# KiCad board m-blanc.kicad_pcb (continued)
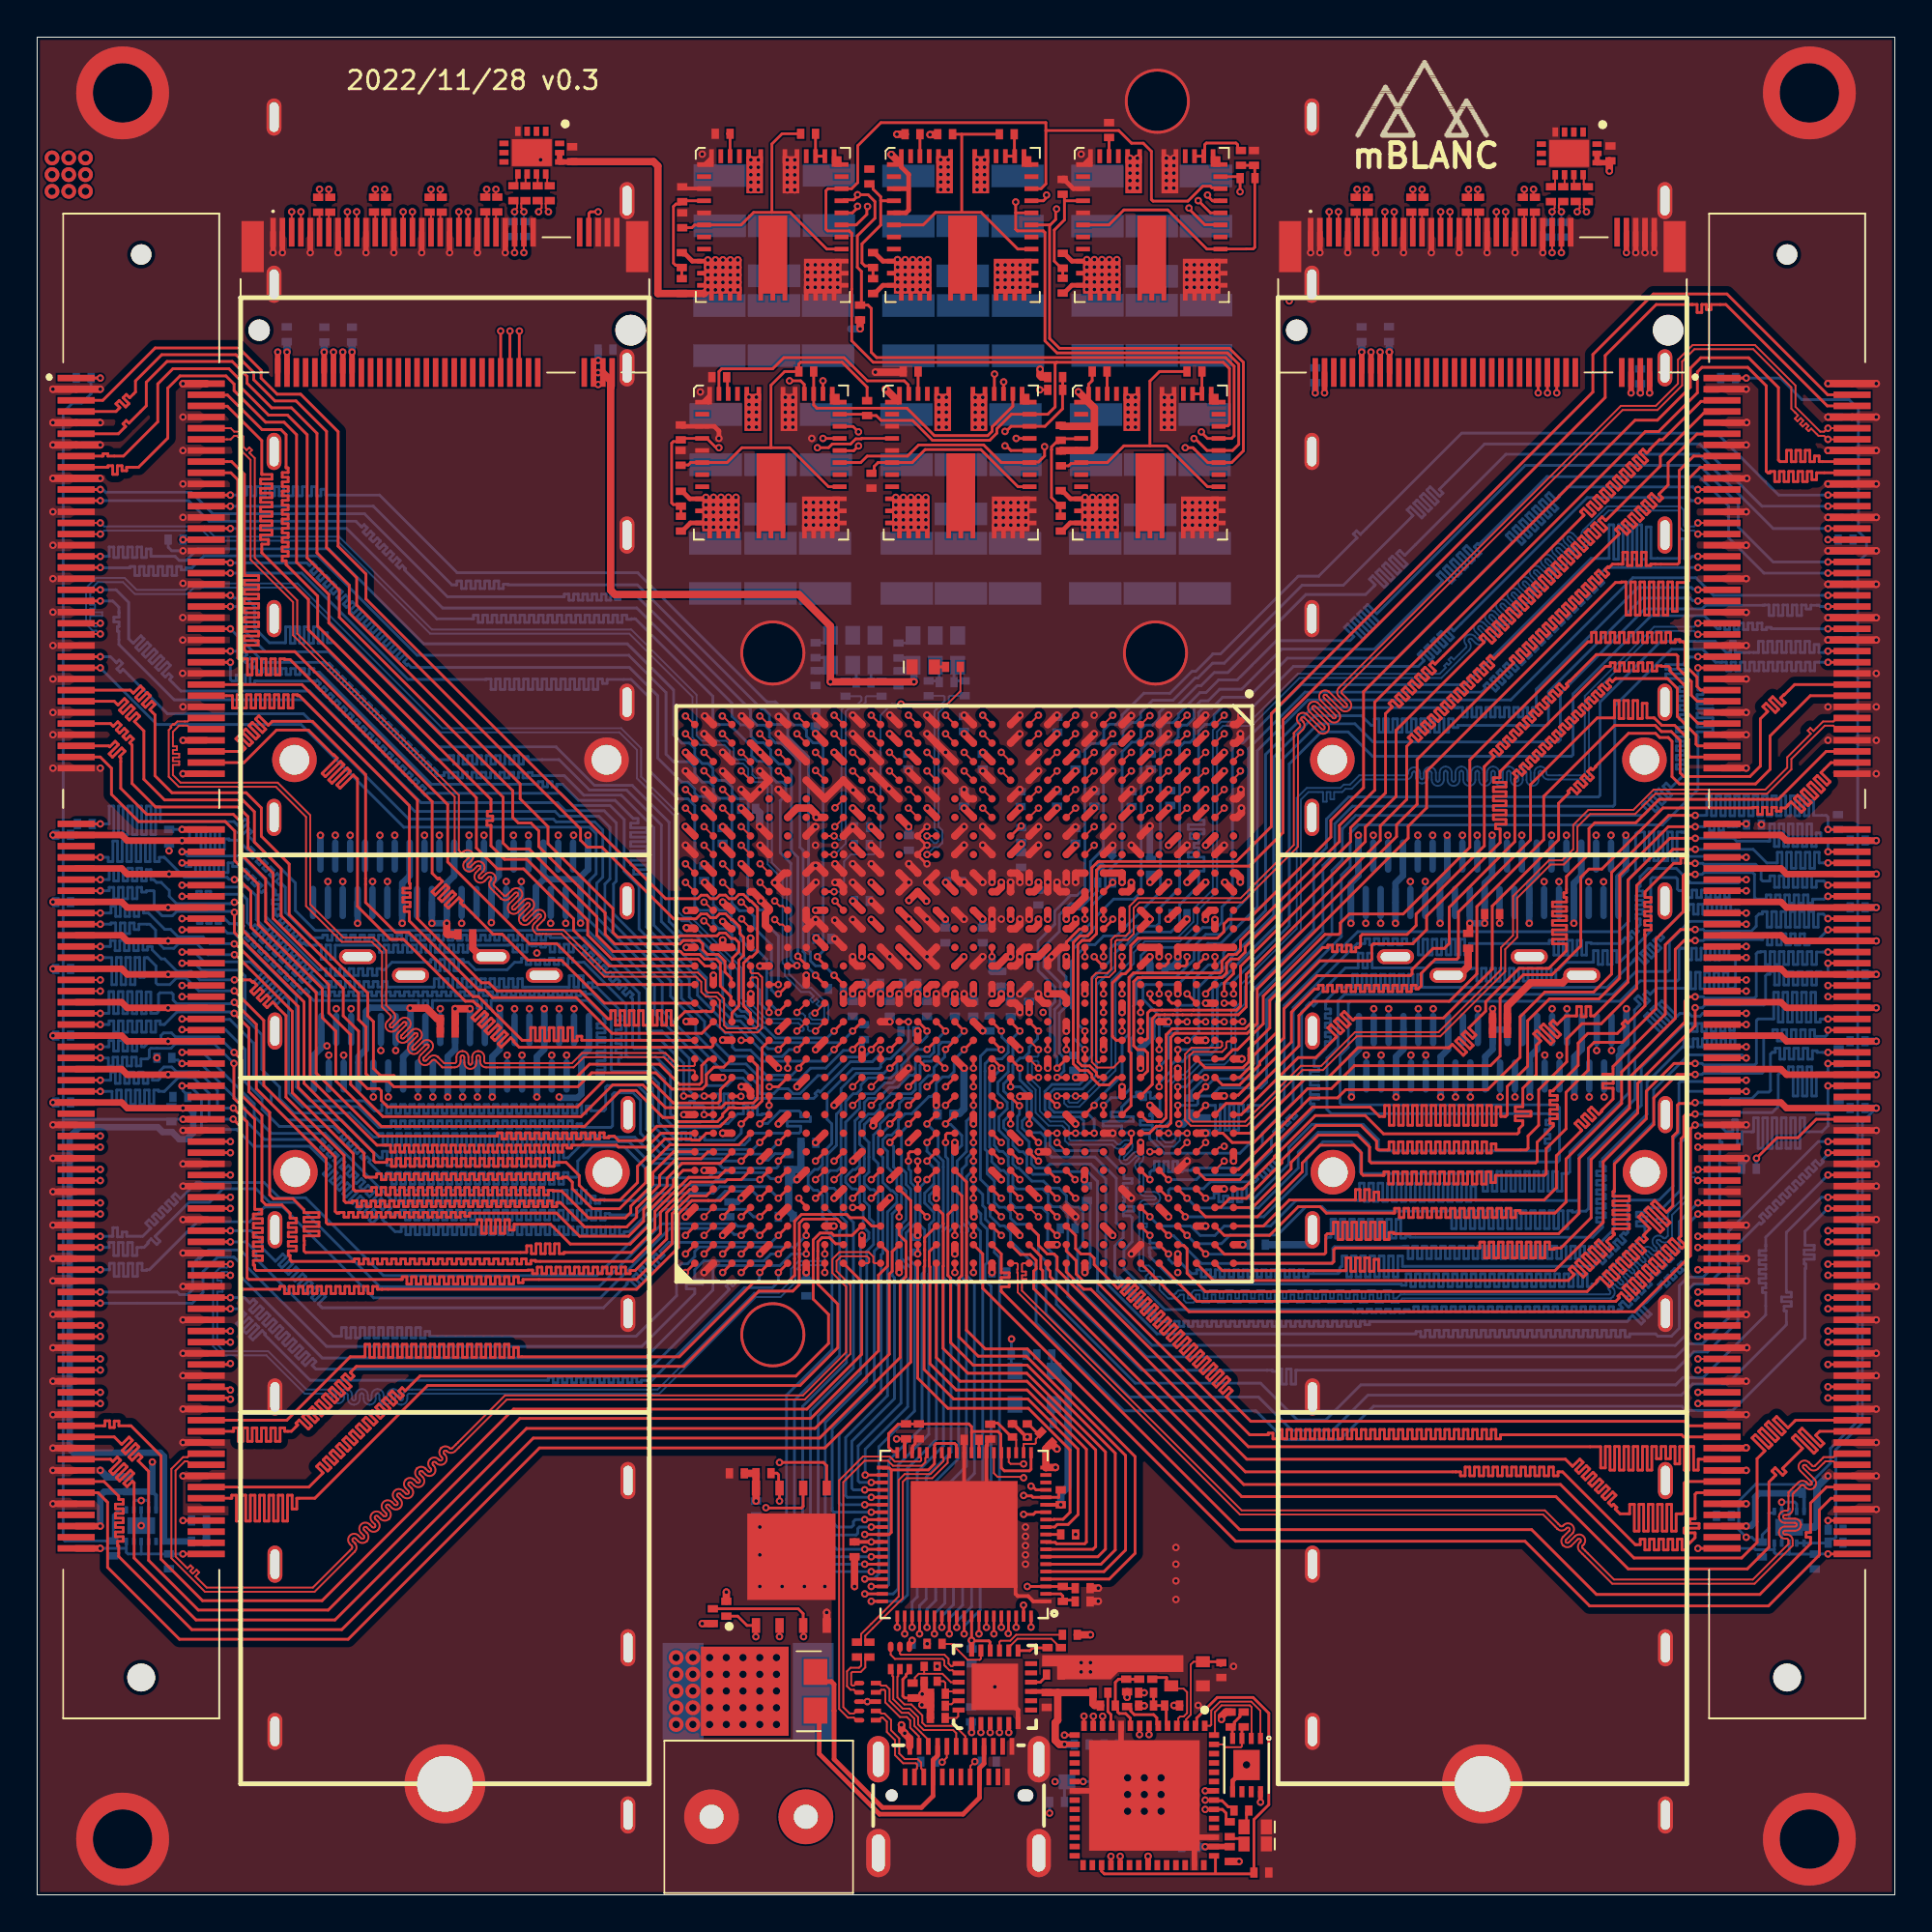
[diagram p0: board, top side]
## Routing (per net, layer and track width the routed paths; a pad name or vN(x,y) marks a point on that pad's centre or on a via; arc(x,y) is an arc through that point) (continued)
  vias: v1(54.4,44.5) v1(56.51,88.03) v1(56.51,87.62) v1(56.51,87.22) v1(56.51,86.82) v1(56.51,86.42) v1(56.91,88.03) v1(56.91,87.62) v1(56.91,87.22) v1(56.91,86.82) v1(56.91,86.42) v1(57.32,88.03) v1(57.32,87.62) v1(57.32,87.22) v1(57.32,86.82) v1(57.32,86.42) v1(57.72,88.03) v1(57.72,87.62) v1(57.72,87.22) v1(57.72,86.82) v1(57.72,86.42) v1(58.12,88.03) v1(58.12,87.62) v1(58.12,87.22) v1(58.12,86.82) v1(58.12,86.42)
3.3V: length 379.3
  Top Layer w0.14: v1(50.3,13.7) 50.33,13.67
  Top Layer w0.15: 22.5,47.1 C161.2 ; v1(50.3,8.74) 50.3,8.74 ; 50.33,13.67 51.23,13.67 51.29,13.61 51.29,13.16 U2.16 ; v1(46.7,14.05) U4.59 ; C164.2 77.12,51.84 ; R66.1 77.92,52.79 77.92,52.3 v1(77.92,52.3) ; 38.69,22.69 R19.2 ; C160.2 22.5,46.42 ; v1(46.26,24.54) 46.27,24.55 46.77,24.55 FB4.1 ; 50.3,13.7 U4.68
  Top Layer w0.2: C10.2 v1(44.9,19) U4.49 ; U4.14 v1(55.1,21) ; U4.37 46.7,24.48
  Top Layer w0.25: 50.3,8.74 U2.1 ; v1(65.85,4.99) 65.85,4.99 65.85,5.55 U5.8 ; 35.73,87.94 35.27,87.94 34.89,88.33 34.78,88.33 R54.2 ; U2.9 54.28,10.95 C15.1 ; 50.3,13.15 v1(50.3,13.7)
  Top Layer w0.3: 78.35,47.1 v1(78.35,47.7) ; M.2 #1.16 v1(16.45,83.05) ; K1.13 K1.12 28.66,93.28 28.68,93.3 C89.2 ; 59.8,1.6 59.8,2.07 ; M.2 #1.18 v1(16.95,83.05) ; 64.19,2.6 62.89,2.6 62.88,2.59 62.87,2.59 ; M.2 #1.14 v1(15.95,83.05) ; M.2 #1.2 v1(12.95,83.05) ; M.2 #1.4 v1(13.45,83.05) ; v1(68.8,80.85) M.2 #2.2 ; M.2 #1.12 v1(15.45,83.05) ; C90.2 84.62,93.34 84.51,93.24 K2.12 K2.13 ; M.2 #2.16 72.3,83.04 ; M.2 #2.14 v1(71.8,83.05) ; v1(86.3,80.85) M.2 #2.72 ; v1(55.3,8.1) 55.85,8.1 ; 62.87,5.6 63.35,5.6 ; v1(86.8,80.85) M.2 #2.74 ; M.2 #2.18 72.8,83.04 ; M.2 #2.12 v1(71.3,83.05) ; v1(85.8,80.85) M.2 #2.70 ; v1(69.3,80.85) M.2 #2.4
  Top Layer w0.35: 77.12,51.84 v1(77.12,52.3) ; DIMM1.199 v1(3.4,19.85) ; DIMM2.199 v1(92,19.85)
  Top Layer w0.4: v1(47.4,35.5) U1.V28 ; v1(36.91,87.2) 36.91,87.2 VR6.9 ; U1.AC13 42.4,51.02 41.93,51.49 v1(41.93,51.5) ; v1(55.3,8.1) 55.02,8.1 54.8,8.32 54.8,9.26 54.94,9.4 54.94,10.89 ; C15.1 54.94,10.89 ; 54.94,10.89 56.83,10.89 56.83,10.29 56.92,10.2 57.23,10.2 FB2.2 ; v1(22.05,52.3) 22.05,51.75 22.1,51.7 22.47,51.7 ; v1(47.2,65.3) v1(42.7,65.3) 42.7,68.3 41,70 31.11,70 30.87,70.23 30.87,81.14 30.87,81.51 30.43,81.95 ; v1(62.9,48) U1.B16 ; U1.J10 56.4,53.71 55.69,53 U1.K11 v1(55.4,52.52) ; v1(44.3,84.3) 44.3,84.77 R58.1 ; R18.2 v1(37.1,16.3) ; R19.2 v1(38.7,21.2) ; U1.R17 50.41,47 50.89,46.52 v1(50.9,46.52) ; 36.76,86.64 36.76,86.44 36.8,86.4 ; 37.35,87.64 v1(37.72,88.01) ; VR6.9 36.35,86.57 36.1,86.57 ; VR6.9 36.91,86.8 ; 36.23,87.82 36.48,87.57 ; 37.21,87.2 37.21,87.2 ; 37.21,87.2 36.98,87.2 ; 37.21,87.2 37.14,87.13 ; 37.21,87.2 37.31,87.2 ; 59.8,2.07 v1(59.8,2.08) ; 36.91,87.4 36.91,87.61 ; 36.91,87.61 36.91,88.01 v1(36.91,88.01) ; 36.91,87.61 v1(37.31,88.01) ; C187.2 C171.2 ; 22.5,46.42 22.5,47.1 ; v1(41.9,53) U1.AC11 ; 36.91,86.8 v1(36.91,86.8) ; 36.91,86.8 36.9,86.79 ; 36.91,86.8 36.91,86.79 ; v1(36.1,87.61) 36.58,87.13 36.74,87.13 ; v1(56.4,48.5) U1.J15 ; 36.57,86.8 v1(36.51,86.8) v1(36.1,86.8) 36.1,86.8 ; 36.5,87.13 36.17,87.13 36.1,87.2 ; v1(48.4,42.5) U1.U21 ; 36.9,87.61 36.9,87.23 36.92,87.2 ; v1(35.8,14.6) 36.37,14.6 ; U1.V18 47.4,46.5 v1(47.4,46.5) ; 44,19 C10.2 ; U1.F14 v1(59.9,50.5) ; 36.51,88.01 36.51,87.53 36.75,87.3 ; 37.38,87.2 37.71,87.2 ; U1.T24 49.4,40.5 ; C161.2 v1(22.5,47.7) v1(23.3,47.7) ; R10.1 v1(56.7,14) ; 36.1,86.51 v1(36.1,86.4) 35.91,86.2 33.41,86.2 33.41,93.07 33.18,93.3 C89.2 ; 36.9,86.79 36.71,86.6 36.71,86.6 36.51,86.4 ; 36.9,86.79 36.9,86.4 ; 36.9,86.79 36.9,86.8 ; 36.94,87.24 37.31,87.61 ; 37.3,86.4 37.3,86.72 37.27,86.76 ; 36.91,87.13 37.15,86.89 37.22,86.89 ; v1(84.63,92.8) 84.63,93.34 84.63,93.34 84.58,93.29 ; 36.09,87.61 36.09,87.81 ; 72.79,83.05 72.79,83.05 ; 37.22,86.89 37.31,86.8 ; 37.22,86.89 37.23,86.89 ; 37.34,86.76 37.71,86.4 ; 36.5,87.2 36.58,87.13 ; 37.38,87.61 37.71,87.61 ; U1.E17 v1(60.9,47) ; 37.38,87.13 37.71,86.8 ; R9.2 63.99,9.84 63.75,9.61 v1(63.75,9.45) ; v1(50.42,36.5) 50.41,36.51 50.41,36.99 U1.R27 ; C162.2 38.69,22.69 ; 36.91,86.8 36.91,87.12 ; 50.3,13.7 v1(50.3,13.7)
  InLayer3 (PWR) w0.15: v1(35.8,14.6) 37.08,15.88 37.08,16.28 v1(37.1,16.3) 37.1,20.4 37.9,21.2 v1(38.7,21.2) ; 46.69,14.05 v1(46.7,14.05) ; 78.32,82.32 78.4,82.4 ; 55.3,51.7 55.4,51.8 ; v1(54.5,4.4) 55.3,4.4 ; 45.79,13.27 45.91,13.27 ; 22,30.9 22.1,31 ; 46.21,25.11 46.3,25.2
  InLayer3 (PWR) w0.35: 5.95,28.87 6.2,28.61 v1(6.2,23.3)
  InLayer3 (PWR) w0.4: 62.1,2.08 v1(59.8,2.08) 59.8,1.63 59.57,1.4 55.53,1.4 55.3,1.63 v1(55.3,8.1) 55.9,8.1 ; v1(65.85,4.99) 65.85,5.37 65.62,5.6 63.66,5.6 ; 47.91,13.13 45.94,13.13 45.79,13.27 ; 55.9,51.2 55.9,49 v1(56.4,48.5) ; 62.1,2.59 62.1,5.1 62.6,5.6 63.66,5.6 ; 62.1,2.59 62.87,2.59 ; 62.1,2.59 62.1,2.1 ; v1(50.9,46.52) 50.42,46.04 50.42,45.84 ; v1(22.5,47.7) 22.05,48.15 v1(22.05,52.3) ; v1(62.9,48) 63.11,48 63.4,48.29 63.4,48.71 63.69,49 64.24,49 64.48,49.23 64.48,51.3 ; 47.91,13.2 v1(47.91,13.51) 50.12,13.51 ; v1(38.7,21.2) 38.7,25.1 ; v1(92,19.85) 90.85,21 v1(55.1,21) 50.5,21 ; 55.6,14 55.6,14.76 55.37,15 50.38,15 ; 55.6,14 v1(56.7,14) ; 55.6,14 55.6,9.3 55.9,9 55.9,8.1 ; 55.9,8.1 57.47,8.1 57.86,8.49 57.86,10.93 58.09,11.17 59.36,11.17 59.59,10.93 v1(59.59,10.88) ; 84.63,83.53 v1(84.63,92.8) ; v1(50.3,8.74) 50.3,9.8 v1(50.3,13.7) ; v1(55.9,19.4) 55.9,21 ; v1(63.75,9.45) 63.75,5.69 63.66,5.6 ; 45.86,13.27 45.8,13.33 45.8,14.77 46.03,15 47.29,15 ; v1(41.9,53) 42.11,53 42.4,52.71 42.4,51.9 42.4,51.9 ; 45.91,13.27 46.69,14.05 ; 47.4,45.8 v1(47.4,46.5) ; v1(46.26,24.54) 46.26,25.16 ; v1(44.9,19) 47.3,19 ; 22.1,31 v1(22.1,42.95) ; 55.4,51.8 v1(55.4,52.52) ; v1(59.9,50.5) 59.9,51.1 ; v1(78.32,57.04) 78.32,82.32
  InLayer4 (GND) w0.4: v1(62.9,48) 62.9,47.73 62.67,47.5 61.69,47.5 61.19,47 v1(60.9,47) ; v1(78.35,47.7) 77.92,48.13 v1(77.92,52.3)
  Bottom Layer w0.15: 59.9,49.92 C181.2 ; 50.3,13.24 C155.2 ; C158.2 50.3,9.27 ; C167.2 86.3,81.33 ; v1(55.4,52.52) 55.45,52.57 55.45,52.8 55.71,53.06 56.1,53.06 57.07,54.04 57.07,55.11 57.24,55.28 C182.2 ; v1(59.9,50.5) 59.9,50.5 ; R63.2 42.38,66.6 42.7,66.28 Y2.6 42.4,65.9 ; C165.2 71.3,83.6 ; 44.33,84.3 44.3,84.33 v1(44.3,84.3) ; 46.83,66.59 47.15,66.26 Y3.6 ; C190.2 72.79,83.6 ; 55.83,8.1 C157.2 ; 30.2,82.6 v1(30.2,82.6) ; C169.2 13.45,83.59 ; C168.2 30.2,83.19 ; 47.15,66.09 47.2,66.04 ; Y1.4 54.62,28.32 C83.1 ; C154.2 62.43,2.59 ; v1(54.5,4.4) R15.2 ; C188.2 16.95,83.58 ; 15.45,83.58 C159.2
  Bottom Layer w0.2: U8.10 95.11,21.64 ; R76.2 46.83,66.59 ; 94.99,21.62 C33.1 ; U7.10 6.4,21.51 6.2,21.71
  Bottom Layer w0.35: QSFP+ #3.10 22.45,54.86 22.05,54.46 QSFP+ #3.29 v1(22.05,52.3) v1(21.25,52.3) QSFP+ #3.30 ; QSFP+ #2.30 v1(77.12,52.3) v1(77.92,52.3) QSFP+ #2.29 77.92,54.46 78.32,54.86 QSFP+ #2.10 v1(78.32,57.04) ; QSFP+ #4.30 v1(23.3,47.7) ; v1(3.4,19.85) 3.4,21.49 3.61,21.7 C31.1 ; QSFP+ #1.29 78.35,45.52 77.95,45.12 QSFP+ #1.10 ; QSFP+ #1.29 v1(78.35,47.7) ; QSFP+ #1.29 QSFP+ #1.30 ; 6.2,23.29 6.2,21.71 4.91,21.71 ; 48.41,42.18 48.41,42.49 v1(48.4,42.5) ; v1(22.1,42.95) QSFP+ #4.10 22.1,45.12 22.5,45.52 QSFP+ #4.29 v1(22.5,47.7) ; 59.9,49.92 59.9,50.5 ; 48.51,42.01 48.51,42.08 ; 92.01,19.84 92.01,19.84 92.02,19.86 92.26,19.86 92.48,20.08 92.48,21.41 92.69,21.62 94.99,21.62 C33.1
  Bottom Layer w0.4: Y3.6 47.15,66.09 46.95,65.89 46.35,65.89 ; 50.3,13.24 v1(50.3,13.7) ; v1(86.3,80.85) 86.3,81.33 ; C175.1 42.4,65.9 ; Y1.4 54.74,28.15 54.94,27.95 54.99,27.95 55.5,27.44 55.5,21.98 55.1,21.58 v1(55.1,21) ; v1(15.45,83.05) 15.45,83.58 ; 43.8,84.3 v1(44.3,84.3) ; v1(68.8,80.85) C166.2 ; v1(72.79,83.05) 72.79,83.6 ; 30.2,82.6 30.2,83.19 ; v1(16.95,83.05) 16.95,83.58 ; v1(50.3,8.74) 50.3,9.27 ; 62.43,2.59 62.87,2.59 ; v1(47.2,65.3) 47.2,66.04 ; v1(13.45,83.05) 13.45,83.59 ; v1(42.7,65.3) Y2.6 ; v1(55.3,8.1) 55.83,8.1 ; v1(71.3,83.05) 71.3,83.6
  vias: v1(30.2,81.94) v1(30.2,81.3) v1(36.1,88.01) v1(36.1,87.2) v1(36.51,88.01) v1(36.51,87.61) v1(36.51,87.2) v1(36.51,86.4) v1(36.91,87.61) v1(36.91,86.4) v1(37.32,87.61) v1(37.32,87.2) v1(37.32,86.8) v1(37.32,86.4) v1(37.72,87.61) v1(37.72,87.2) v1(37.72,86.8) v1(37.72,86.4) v1(49.4,40.5) v1(62.88,5.6) v1(62.88,2.59) v1(72.29,83.05)
GND: length 538.5
  Top Layer w0.15: QSFP+ #1.MH14 76.55,49.5 ; VR3.45 56.6,81.32 56.79,81.51 56.79,82 ; U1.J12 56.39,51.99 56.11,51.99 55.41,51.29 55.41,51.01 U1.K13 ; FL2.4 46.95,13.51 ; C21.1 46.7,10.6 46.6,10.7 46.6,11.6 46.77,11.77 46.77,11.85 46.95,12.03 FL2.3 ; 64.2,1.79 64.2,1.79 ; U4.36 47.13,23.83 47.13,24.15 47.26,24.28 47.26,24.43 47.39,24.55 C11.1 ; 47.87,56.5 47.4,56.03 U1.V8 47.4,55.97 47.86,55.5 47.9,55.5 ; 47.87,56.5 47.9,56.5 ; 47.87,56.5 47.86,56.5 47.4,56.97 U1.V7 47.4,57.03 47.87,57.5 v1(47.9,57.5) ; 47.1,13.66 v1(47.1,13.7) ; 64.69,1.79 v1(64.7,1.8) ; v1(46.92,55.5) 46.92,55.51 ; U1.AG13 38.53,51 ; R55.2 34.82,91.85 ; C160.1 21.7,46.42
  Top Layer w0.2: 52.55,25.35 53.25,24.65 ; 49.9,23.8 49.9,24.49 ; 44.69,10.4 v1(44.69,10.4) 44.69,10.4 ; 44.69,10.4 45.15,10.4 FL1.3 ; 44.69,10.4 FL1.8 ; C18.2 51.23,24.53 51.13,24.43 51.13,24.2 51.1,24.17 51.1,20.6 ; U4.77 U4.29 ; U4.1 53.62,15.8 53.34,16.08 52.79,16.08 52.67,16.2 52.67,16.63 ; 34.82,91.85 35.89,91.85
  Top Layer w0.25: U2.6 52.8,9.95 52.6,10.15 ; v1(36.7,78.4) 36.7,78.8 36.45,79.05 35.98,79.05 ; VR5.3 46.91,91.84 ; VR5.5 46.77,90.54 46.91,90.69 46.91,92.61 46.52,93.01 46.52,93.14 ; U5.5 64.35,6.14 65.1,6.89 ; 55.28,92.34 55.78,91.84 VR4.3 ; R36.2 34.72,79.05 VR1.3
  Top Layer w0.3: v1(86.05,88.4) M.2 #2.71 ; 46.95,13.51 47.1,13.66 ; v1(87.05,88.4) M.2 #2.75 ; v1(79.55,88.4) M.2 #2.45 ; v1(23.7,88.4) M.2 #1.45 ; v1(19.2,88.4) M.2 #1.27 ; v1(12.7,88.4) M.2 #1.1 ; v1(69.05,88.4) M.2 #2.3 ; v1(86.55,88.4) M.2 #2.73 ; v1(25.2,88.4) M.2 #1.51 ; v1(70.55,88.4) M.2 #2.9 ; v1(14.7,88.4) M.2 #1.9 ; 55.85,5.6 59.35,5.6 ; v1(73.55,88.4) M.2 #2.21 ; v1(20.7,88.4) M.2 #1.33 ; v1(81.05,88.4) M.2 #2.51 ; v1(75.05,88.4) M.2 #2.27 ; 61.85,3.1 63.35,3.1 ; v1(78.05,88.4) M.2 #2.39 ; v1(13.2,88.4) M.2 #1.3 ; 58.35,6.6 58.35,9.1 ; v1(22.2,88.4) M.2 #1.39 ; 62.3,1.6 62.3,2.65 ; v1(16.2,88.4) M.2 #1.15 ; v1(76.55,88.4) M.2 #2.33 ; v1(17.7,88.4) M.2 #1.21 ; v1(72.05,88.4) M.2 #2.15 ; v1(68.55,88.4) M.2 #2.1
  Top Layer w0.35: v1(7.85,41.15) DIMM1.128 9.15,41.15 ; v1(0.85,34.25) DIMM1.151 ; v1(7.85,34.55) 9.15,34.55 ; DIMM2.13 v1(92,78.05) ; DIMM2.155 v1(92.01,33.05) ; v1(7.85,38.15) 9.15,38.15 ; DIMM2.145 v1(92,36.05) ; DIMM2.144 v1(99,36.35) ; DIMM2.133 v1(92,39.65) ; DIMM2.3 v1(92,81.05) ; DIMM2.179 v1(92,25.85) ; v1(7.85,39.35) 9.15,39.35 ; DIMM2.167 92.03,29.45 ; DIMM2.178 v1(99,26.15) ; DIMM2.173 v1(92,27.65) ; v1(0.85,29.45) DIMM1.167 ; U1.AH12 37.39,52.01 37.32,52.01 37.2,52.12 37.18,52.12 36.91,52.39 ; DIMM2.61 v1(92,63.65) ; v1(0.85,21.05) DIMM1.195 ; DIMM2.128 v1(99,41.15) ; v1(7.85,30.95) 9.15,30.95 ; DIMM2.190 v1(99,22.55) ; DIMM2.127 v1(92,41.45) ; DIMM2.168 v1(99,29.15) ; DIMM2.172 v1(99,27.95) ; v1(0.85,22.85) DIMM1.189 ; v1(0.85,27.65) DIMM1.173 ; v1(0.85,25.85) DIMM1.179 ; v1(92,24.07) 91.99,24.07 91.97,24.05 DIMM2.185 ; DIMM2.134 v1(99,39.35) ; DIMM2.49 v1(92,67.25) ; 90.8,70.85 92.02,70.85 ; DIMM2.71 v1(92,60.65) ; DIMM2.150 v1(99,34.55) ; v1(0.85,31.25) DIMM1.161 ; 90.77,76.25 92.03,76.25 ; v1(0.85,37.85) DIMM1.139 ; 91.99,31.25 91.98,31.25 91.98,31.25 DIMM2.161 ; DIMM2.55 v1(92,65.45) ; DIMM2.65 v1(92,62.45) ; v1(0.85,39.65) DIMM1.133 ; DIMM2.151 92,34.25 ; DIMM2.184 v1(99,24.35) ; DIMM2.156 v1(99,32.75) ; v1(7.85,29.15) 9.15,29.15 ; v1(7.85,26.15) 9.15,26.15 ; DIMM2.25 v1(92,74.45) ; v1(7.85,22.55) 9.15,22.55 ; v1(7.85,32.75) 9.15,32.75 ; v1(7.85,62.15) DIMM1.66 ; DIMM2.162 v1(99,30.95) ; DIMM2.189 v1(92,22.85) ; v1(0.85,41.45) DIMM1.127 ; v1(0.85,36.05) DIMM1.145 ; v1(7.85,36.35) 9.15,36.35 ; 90.77,72.65 92,72.65 ; DIMM2.138 v1(99,38.15) ; 90.72,79.25 92.02,79.25 ; v1(0.85,33.05) DIMM1.155 ; 90.74,69.05 91.97,69.05 ; v1(7.85,60.35) DIMM1.72 ; DIMM2.195 v1(92,21.05) ; v1(0.85,24.05) DIMM1.185 ; v1(7.85,27.95) 9.15,27.95 ; DIMM2.196 v1(99,20.75) ; v1(7.85,24.35) 9.15,24.35
  Top Layer w0.4: 53.25,24.65 v1(53.3,24.65) 53.35,24.65 ; v1(51.4,48.5) U1.P15 ; v1(0.85,81.05) DIMM1.3 3.35,81.05 ; v1(35.9,59.5) U1.AJ5 ; U1.C5 v1(62.9,59.5) ; U1.W10 46.41,54 46.91,54.5 ; 42.29,87.27 42.29,87.27 ; 42.29,87.27 42.29,87.33 ; 42.29,87.27 42.29,87.27 42.29,87.27 ; 42.29,87.27 42.36,87.27 ; U1.E10 60.4,54 60.9,54.5 v1(60.9,54.51) ; C9.1 59.31,10.18 v1(59.59,10.18) ; U1.J2 v1(56.9,62.5) ; v1(52.9,42.98) 52.91,42.99 53.39,42.99 U1.M21 ; v1(53.9,40) U1.L24 ; v1(44.9,53.5) U1.Y11 ; U1.F7 59.4,57.02 59.9,57.52 v1(59.9,57.54) ; v1(61.2,10.2) 61.49,10.2 C8.1 ; 42.29,87.33 42.29,87.34 v1(42.29,87.34) ; 42.29,87.33 42.3,87.34 ; 42.29,87.33 42.26,87.3 ; 3.35,79.25 DIMM1.9 v1(0.85,79.25) ; v1(47.92,59.48) U1.U5 ; v1(96.4,81.35) DIMM2.2 v1(99,81.35) ; U1.G11 U1.G12 ; v1(99,77.75) DIMM2.14 v1(96.4,77.75) ; v1(42.95,55.5) 42.95,55.48 43.4,55.02 U1.AB9 ; v1(47.9,50.5) U1.U14 ; v1(47.9,50.5) U1.W12 ; v1(47.9,50.5) U1.U13 ; U1.L14 54.4,50.29 55.11,51 U1.K13 ; R43.2 55.15,79.05 56.91,79.05 ; U1.R16 50.13,48 49.9,48.23 v1(49.9,48.5) ; U1.AD3 U1.AE2 v1(39.9,62.5) ; v1(36.9,60.5) U1.AH4 ; U1.B4 v1(63.9,60.5) ; v1(46.4,33.5) U1.W30 ; v1(56.4,33.5) U1.J30 ; U1.AG13 v1(38.4,51.5) ; U1.AF12 39.2,52.2 39.2,52.8 U1.AF11 39.4,53.1 38.99,53.51 v1(38.95,53.51) 38.95,53.59 38.54,54 U1.AG10 ; U1.H7 v1(57.9,57.5) ; U1.U9 v1(47.9,54.5) U1.U10 ; 42.29,86.93 42.29,86.94 ; 42.29,86.94 v1(42.29,86.94) ; 42.29,86.94 42.28,86.93 42.28,86.94 ; v1(41.9,45.5) U1.AC18 ; U1.N16 52.67,48 52.9,47.77 v1(52.9,47.5) ; 48.08,10.18 48.08,10.5 ; 48.08,10.18 48.03,10.23 v1(47.63,10.23) ; 48.08,10.18 48.08,9.53 R14.1 ; 48.08,10.5 47.98,10.6 C21.1 ; 48.08,10.5 48.08,10.82 ; 47.75,10.99 X2.2 ; v1(99,74.15) DIMM2.26 v1(96.4,74.15) ; v1(38.41,48.5) 38.41,48.49 38.41,48.01 U1.AG16 ; 21.7,46.42 21.7,47.1 ; 42.28,87.37 42.3,87.34 ; 42.28,87.37 42.28,87.34 ; 42.28,87.37 42.21,87.44 ; 42.3,87.34 42.3,87.34 ; U1.AD11 41.4,52.5 41.5,52.4 ; v1(96.4,79.55) DIMM2.8 v1(99,79.55) ; U1.G10 58.74,54 58.9,54.16 58.9,54.51 ; 52.55,25.35 X3.2 52.45,25.35 ; U1.AA7 v1(43.9,57.5) U1.AB7 ; 42.4,52 42.4,52 v1(41.9,52.5) 41.9,52.5 U1.AD12 ; v1(46.52,9.15) 46.53,9.14 46.53,8.88 46.7,8.71 v1(46.7,8.7) ; U1.N12 52.67,52 52.9,52.23 v1(52.9,52.52) ; v1(99,72.35) DIMM2.32 v1(96.4,72.35) ; v1(0.85,76.25) DIMM1.19 3.35,76.25 ; v1(55.9,57.48) 55.89,57.48 55.41,57 U1.K7 ; v1(42.94,52.47) 43.4,52 U1.AB12 ; U1.AC28 v1(42.89,36) ; U1.G5 v1(58.9,59.5) ; v1(7.85,81.34) 7.85,81.35 9.1,81.35 DIMM1.2 ; v1(45.9,63.5) U1.W1 ; U1.D8 v1(61.9,56.5) ; U1.T15 49.13,49 48.9,48.77 v1(48.9,48.5) ; CON1.A1 46.97,8.41 46.7,8.69 ; U1.H8 v1(57.9,56.5) ; C13.2 56.69,15.8 v1(57.12,15.8) ; U1.A1 64.57,63 64.8,63.23 v1(64.8,63.5) ; U1.AC9 41.99,55.41 41.81,55.41 U1.AD9 ; v1(37.92,63.45) 37.93,63.45 38.39,63 U1.AG1 ; v1(58.9,34.5) U1.F29 ; v1(55.4,46.5) U1.K17 ; C170.1 23.45,50.95 23.7,50.7 ; U1.V15 47.13,49 46.9,48.77 v1(46.9,48.5) ; U1.T7 v1(49.9,57.5) ; v1(35.93,54.5) 35.93,54.49 36.4,54.02 U1.AJ10 ; U1.Y15 45.13,49 44.9,48.77 44.9,48.5 ; v1(49.9,63.5) U1.R1 ; 46.36,93.3 46.36,93.3 45.98,93.68 v1(45.98,93.69) ; 3.35,78.05 DIMM1.13 v1(0.85,78.05) ; v1(36.9,41) U1.AH23 ; v1(51.4,54.51) U1.P9 ; v1(40.9,38.5) U1.AD25 ; U1.J5 v1(56.9,59.5) ; U1.AA5 44.39,59 43.93,59.47 v1(43.92,59.47) 43.92,59.47 43.4,59.99 U1.AB4 U1.AC5 U1.AD4 ; U1.C28 v1(62.9,36) ; v1(47.9,62.5) U1.U2 v1(48.9,61.5) U1.T3 ; U1.AJ13 U1.AH13 36.9,51 v1(36.9,51.4) ; v1(46.9,44.5) 46.9,44.5 46.4,44 U1.W20 ; v1(55.4,54.51) U1.K9 ; v1(34.94,51) U1.AK13 ; R40.2 46.59,81.97 v1(45.12,81.97) ; U1.E2 v1(60.9,62.5) ; v1(57.12,16.51) 56.68,16.51 C5.1 ; 92,31.24 v1(92,31.24) ; v1(50.9,54.51) 50.9,54.51 50.4,55 U1.R9 ; 92,72.65 v1(92,72.65) ; U1.F4 v1(59.9,60.5) ; 46.72,94.77 R52.2 ; 46.72,94.77 46.28,94.77 v1(46.28,94.77) ; 46.72,94.77 46.69,94.75 ; v1(61.89,52.52) 61.89,52.51 61.4,52.02 U1.D12 ; C68.1 48.45,94.75 v1(48.06,94.75) ; v1(39.9,41.5) U1.AE22 ; v1(59.9,42.5) U1.E22 ; U1.N2 v1(52.89,62.49) ; v1(34.93,47.01) 35.39,47.01 U1.AK17 ; v1(58.4,54.51) U1.G9 U1.H9 ; U1.N9 52.76,55 52.9,54.86 v1(52.9,54.51) ; C52.1 55.13,77.75 55.95,77.75 55.95,77.75 VR3.5 56.75,77.75 56.91,77.91 56.91,80.04 VR3.1 ; v1(49.4,34.5) U1.T29 ; U1.Y17 v1(45.9,47) ; U1.AB8 43.4,56.03 ; v1(61.9,39.5) 61.9,39.5 61.4,39 U1.D25 ; U1.B21 63.4,43 63.9,43 v1(63.9,43.01) ; v1(48.9,60.5) U1.T4 ; U1.R5 50.13,59 49.9,59.23 v1(49.9,59.5) ; U1.C10 62.4,54 62.9,54.5 v1(62.9,54.51) ; v1(99,67.55) DIMM2.48 v1(96.4,67.55) ; v1(53.9,56.5) 53.9,56.5 53.4,56 U1.M8 ; v1(50.9,60.5) U1.P4 ; v1(47.64,10.81) 48.07,10.81 ; v1(39.9,63.43) 39.94,63.43 40.36,63 U1.AE1 ; v1(42.9,42.5) U1.AB21 ; 41.47,86.94 v1(41.48,86.94) ; v1(35.93,63.45) 35.94,63.45 36.39,63 U1.AJ1 ; v1(42.5,15.2) 42.51,15.19 U6.4 ; v1(55.9,54.51) 55.9,55 U1.J9 ; v1(44.9,56.5) U1.Y8 ; U1.AB10 43.4,54.27 43.17,54.5 v1(42.95,54.5) ; v1(53.9,48.49) 53.9,48.29 54.19,48 U1.L16 ; U1.G1 58.41,63 58.89,63.48 v1(58.9,63.48) ; v1(38.9,57.5) 39.4,57 U1.AF7 ; v1(45.9,37.53) 45.9,37.51 45.4,37.01 U1.Y27 ; 65.1,6.89 U5.9 ; U1.AC1 42.38,63 41.92,63.45 v1(41.9,63.45) ; C164.1 77.03,49.98 76.55,49.5 ; v1(38.9,60.5) U1.AF4 v1(38.9,59.5) U1.AG5 v1(37.9,59.5) ; U1.D3 v1(61.9,61.5) ; U1.M13 53.13,51 52.9,50.77 52.9,50.23 52.67,50 U1.N14 ; 92.02,79.25 v1(92.02,79.26) ; v1(64.77,62.5) 64.77,62.23 64.54,62 U1.A2 ; U1.P25 v1(51.9,38.5) ; U1.AF8 39.4,56.01 38.92,56.49 v1(38.92,56.5) ; 41.88,87.34 41.95,87.27 ; U1.R10 50.4,54.01 49.91,54.5 v1(49.91,54.52) 49.68,54.52 49.4,54.8 U1.T9 ; U1.U12 48.4,52.01 47.9,52.51 v1(47.9,52.52) 47.89,52.52 47.41,53 U1.V11 ; v1(57.89,61.5) 57.89,61.5 57.4,61 U1.H3 ; v1(99,68.75) DIMM2.44 v1(96.4,68.75) ; U1.A9 64.53,55 64.77,54.77 v1(64.77,54.52) ; U1.F12 59.4,52.01 59.9,52.51 v1(59.9,52.52) 59.89,52.52 59.41,53 U1.F11 ; VR3.1 56.44,80.52 v1(56.05,80.91) ; v1(41.9,57.5) 41.87,57.5 41.4,57.03 U1.AD7 ; 52.9,45.51 52.9,45.51 52.4,46 U1.N18 ; v1(46.9,60.5) U1.V4 ; v1(55.9,44) U1.J20 ; U1.T11 49.41,53 49.89,52.52 v1(49.9,52.52) ; v1(46.9,40.5) U1.V23 ; v1(59.4,44.5) 59.4,45 ; 91.99,24.06 v1(92,24.07) ; U1.M7 v1(53.9,57.5) ; v1(41.92,54.5) 41.91,54.5 41.41,54 U1.AD10 ; v1(44.9,60.5) U1.Y4 v1(45.85,59.55) U1.W5 ; U1.K4 v1(55.9,60.5) ; v1(58.4,47.5) U1.G16 ; U1.L10 v1(54.4,54.51) U1.L9 ; U1.AB13 43.4,51 v1(42.94,51.46) ; U1.AJ20 v1(36.9,44) ; v1(43.9,62.5) U1.AA2 v1(44.9,61.5) U1.Y3 ; v1(60.4,50.5) U1.E13 U1.F13 ; v1(64.83,58.5) 64.83,58.23 64.59,58 U1.A6 ; U1.V9 47.4,55.01 46.92,55.49 v1(46.92,55.5) ; U1.Y13 45.4,51 45.9,50.5 v1(45.9,50.5) 45.9,50.5 46.4,50 U1.W14 ; 42.68,87.34 42.59,87.34 42.59,87.34 ; v1(43.9,63.5) U1.AA1 ; U1.AA14 44.14,50 43.9,50.23 v1(43.9,50.5) ; v1(47.9,63.5) U1.U1 ; v1(44.9,55.5) U1.Y9 ; U1.W16 v1(46.4,48.5) ; U1.P12 v1(51.4,52.52) U1.P11 ; v1(38.9,34.5) U1.AF29 ; v1(34.9,56.5) U1.AK8 ; v1(54.9,54.51) 54.9,54.16 55.06,54 U1.K10 ; v1(50.9,57.5) U1.P7 ; v1(36.9,61.5) U1.AH3 ; U1.B8 v1(63.9,56.5) ; v1(64.8,59.5) 64.8,59.23 64.57,59 U1.A5 ; v1(43.9,54.5) U1.AA10 ; 58.35,6.6 62.3,2.65 ; v1(43.9,55.5) U1.AA9 ; v1(58.67,10.63) 58.67,10.93 R7.1 ; v1(53.99,82.12) 53.99,81.79 54.08,81.7 R59.2 54.37,81.67 ; v1(41.89,86.94) 41.95,86.94 ; 92.01,34.25 v1(92.01,34.25) ; VR2.1 46.23,80.51 45.69,81.05 v1(45.66,81.05) 45.66,81.05 ; U1.E1 v1(60.9,63.5) ; v1(35.9,33.5) U1.AJ30 ; U1.A13 U1.B13 U1.C13 U1.D13 v1(61.4,50.5) ; v1(34.9,36.5) U1.AK27 ; v1(63.93,54.51) 63.93,54.49 64.4,54.02 U1.A10 ; 46.91,54.5 46.41,55 U1.W9 ; 46.91,54.5 v1(46.92,54.5) ; v1(50.4,41.5) U1.R22 ; U1.U16 v1(48.4,48.5) ; v1(64.4,39.5) U1.A24 ; 42.65,86.9 42.68,86.86 ; C187.1 C171.1 79.15,47.85 80.4,49.1 82.12,49.1 82.52,49.5 QSFP+ #1.MH13 ; U1.R14 v1(50.9,50.5) ; U1.C1 v1(62.9,63.5) ; v1(53.4,54.51) U1.M9 ; v1(35.9,62.5) U1.AJ2 ; 64.2,1.79 64.69,1.79 ; U1.M3 v1(53.9,61.5) ; U1.T19 v1(49.9,44.5) ; U1.AA16 v1(44.4,48.5) ; U1.M4 v1(53.9,60.5) ; v1(96.4,70.55) DIMM2.38 v1(99,70.55) ; v1(41.48,86.54) 41.48,86.65 ; v1(34.9,60.5) U1.AK4 ; v1(36.9,56.5) U1.AH8 ; R47.2 55.28,92.34 ; U1.AD15 v1(41.4,49.5) ; U1.AF19 v1(39.9,44.5) ; U1.E5 v1(60.9,59.5) ; v1(53.4,52.52) U1.M11 ; U1.H4 v1(57.9,60.5) ; 92.03,29.45 v1(92.03,29.45) ; U1.N1 v1(52.9,63.5) ; v1(37.9,37.5) U1.AG26 ; v1(61.4,48.5) U1.D15 ; v1(58.9,56.5) U1.F8 ; U4.77 51.1,20.6 ; U1.P8 51.4,56 50.9,56.5 v1(50.9,56.5) ; U1.N10 v1(52.4,54.51) ; v1(44,16.6) 44,18.17 ; v1(43.9,52.5) U1.AA12 ; U1.N28 v1(52.9,35.5) ; U1.G26 v1(58.9,37.5) ; v1(99,75.95) DIMM2.20 v1(96.4,75.95) ; U1.AE10 40.19,54 v1(39.7,54.49) 40.21,55 U1.AE9 ; U1.D4 v1(61.9,60.5) ; v1(51.55,11.2) 52.6,10.15 ; U1.AK12 35.37,52.03 34.98,52.03 v1(34.95,52.06) ; v1(52.9,48.5) U1.M15 ; 41.48,87.34 41.55,87.27 ; U1.K27 v1(55.9,36.5) ; v1(48.4,37.5) U1.U26 ; v1(54.9,24) 54.6,24.3 54.58,24.3 54.3,24.02 U4.19 54.3,23 54.81,23 v1(54.82,23.01) ; v1(39.9,59.5) U1.AE5 ; 92.03,76.25 v1(92.03,76.25) ; U1.T8 49.4,56 49.9,56.5 v1(49.9,56.5) ; U1.B12 v1(63.4,52.5) ; U1.N5 v1(52.9,59.5) ; U1.L12 54.41,52 ; U1.H23 v1(57.9,41) ; v1(43.9,39.5) U1.AA24 ; U1.C18 v1(62.9,46) ; U1.L5 v1(54.9,59.5) ; U1.L1 v1(54.9,63.5) ; C161.1 21.7,47.18 21.52,47.18 20.96,47.73 v1(20.08,47.73)
  InLayer4 (GND) w0.15: v1(36.7,78.4) v1(41.7,78.4)
  Bottom Layer w0.15: 7.82,41.15 v1(7.85,41.15) ; C142.1 40.7,36.58 ; v1(56.4,33.5) 56.68,33.78 56.68,37.25 56.56,37.37 C145.1 ; v1(55.9,36.5) 55.9,35.98 55.82,35.9 ; U7.4 5.2,19.5 5.6,19.9 U7.8 ; 41.11,39.04 41.16,39 ; C172.1 62.08,42.09 ; v1(7.85,72.35) 7.25,72.35 7.06,72.54 7.06,72.95 R27.2 ; 75.91,55.93 QSFP+ #2.7 ; U8.4 93.91,19.41 94.29,19.79 U8.11 U8.8 ; C173.1 55.9,44.31 ; C182.1 57.81,56.01 ; v1(75.9,57.04) 75.91,57.03 ; 15.25,55.92 QSFP+ #3.1 ; 59.9,55.79 C129.1
  Bottom Layer w0.35: QSFP+ #1.1 85.15,45.18 85.24,45.27 85.24,45.55 85.55,45.86 v1(85.55,47.7) ; QSFP+ #4.38 29.7,45.52 29.3,45.12 29.3,43.11 29.09,42.9 28.16,42.9 28.11,42.95 v1(28.1,42.95) ; QSFP+ #4.20 15.3,45.6 14.9,45.2 QSFP+ #4.19 ; v1(37.9,37.5) 37.7,37.3 37.28,37.3 ; v1(82.75,42.95) QSFP+ #1.4 82.75,45.12 83.15,45.52 QSFP+ #1.35 ; QSFP+ #3.13 24.85,54.86 24.45,54.46 QSFP+ #3.26 v1(24.45,52.34) ; QSFP+ #1.20 71.15,45.52 70.75,45.12 QSFP+ #1.19 v1(70.75,42.95) ; v1(75.55,42.95) QSFP+ #1.13 75.55,45.12 75.95,45.52 QSFP+ #1.26 ; v1(75.52,52.3) QSFP+ #2.32 ; 59.9,55.79 v1(59.9,57.54) ; QSFP+ #2.20 85.12,54.8 85.51,55.2 85.52,55.2 v1(85.52,57.04) ; v1(82.72,52.3) QSFP+ #2.23 82.72,54.46 83.12,54.86 QSFP+ #2.16 ; v1(26.9,42.95) QSFP+ #4.4 26.9,45.12 27.3,45.52 QSFP+ #4.35 v1(27.3,47.7) ; QSFP+ #4.13 19.7,45.12 20.1,45.52 QSFP+ #4.26 20.1,47.7 20.08,47.72 v1(20.08,47.73) 20.06,47.73 20.04,47.76 17.91,47.76 17.7,47.55 17.7,45.52 17.3,45.12 QSFP+ #4.16 ; 27.37,54.78 26.85,54.25 QSFP+ #3.23 ; v1(19.65,52.3) QSFP+ #3.32 19.65,54.46 20.05,54.86 QSFP+ #3.7 ; 15.25,55.92 v1(15.25,57.04) ; v1(80.35,42.95) QSFP+ #1.7 80.35,45.12 80.75,45.52 QSFP+ #1.32 ; QSFP+ #1.23 73.55,45.52 73.15,45.12 QSFP+ #1.16 v1(73.15,42.95) ; v1(57.9,56.5) 57.9,56.1 57.81,56.01 ; v1(24.9,47.72) QSFP+ #4.32 24.9,45.52 24.5,45.12 QSFP+ #4.7 v1(24.5,42.95) ; QSFP+ #3.16 27.25,54.9 27.48,54.67 29.25,54.67 ; 75.51,53.43 75.51,54.47 75.91,54.87 75.91,57.03 ; QSFP+ #2.4 73.52,54.86 73.12,54.46 QSFP+ #2.35 v1(73.12,52.3) ; v1(29.65,57.04) 29.65,55.19 29.25,54.79 QSFP+ #3.20 v1(29.25,52.31) ; v1(70.72,52.3) QSFP+ #2.38 70.72,54.46 71.12,54.86 QSFP+ #2.1 v1(71.12,57.04) ; v1(80.32,52.3) QSFP+ #2.26 80.32,54.46 80.72,54.86 QSFP+ #2.13 ; v1(17.25,52.3) QSFP+ #3.35
  Bottom Layer w0.4: 2.35,76.25 3.35,76.25 ; C31.2 3.75,22.5 v1(3.4,22.85) ; 61.93,41.82 C198.1 ; 40.45,39.04 41.11,39.04 41.11,40.48 ; v1(96.4,22.55) 95.81,21.96 95.81,19.94 95.66,19.79 U8.11 ; 2.45,78.05 3.35,78.05 ; v1(59.4,44.5) 59.4,45.57 60,46.18 C183.1 ; v1(96.4,67.55) 97.15,67.55 ; v1(92,39.65) 91.75,39.4 C174.1 ; 2.45,79.25 3.35,79.25 ; 9.11,19.01 9.11,19.08 9.11,19.08 R33.2 ; v1(96.4,75.95) 97.15,75.95 ; 40.7,36.58 40.45,36.82 C199.1 ; v1(96.4,72.35) 98.1,72.35 ; v1(55.9,44) 55.9,44.31 ; C172.1 61.93,42.09 61.93,41.73 61.7,41.5 v1(61.46,41.5) ; v1(96.4,77.75) 97.15,77.75 ; v1(40.9,38.5) 40.64,38.5 40.63,38.51 40.63,38.84 ; C109.1 38.9,58.25 v1(38.9,57.5) ; v1(96.4,74.15) 97.15,74.15 ; v1(61.4,50.5) 61.4,50.21 61.14,49.95 60.7,49.95 C181.1 ; C163.1 49.3,42.08 49.66,42.08 49.89,42.31 49.89,44.49 v1(49.9,44.5) ; v1(96.4,68.75) 97.15,68.75 ; v1(96.4,70.55) 97.15,70.55 ; C146.1 68.6,35 ; v1(96.4,79.55) 97.15,79.55
  vias: v1(0.85,74.45) v1(0.85,72.65) v1(0.85,70.85) v1(0.85,69.05) v1(0.85,67.25) v1(0.85,65.45) v1(0.85,63.65) v1(0.85,62.45) v1(0.85,60.65) v1(3.4,81.05) v1(3.4,79.25) v1(3.4,78.05) v1(3.4,76.25) v1(3.4,60.65) v1(5.6,19.88) v1(6.45,45.06) v1(7.1,56.2) v1(7.84,68.76) v1(7.84,67.55) v1(7.83,65.76) v1(7.85,79.55) v1(7.85,77.75) v1(7.85,75.95) v1(7.85,74.15) v1(7.85,70.6) v1(7.85,63.95) v1(15.6,45.7) v1(26.9,50.7) v1(27.1,93.4) v1(35.7,80.9) v1(35.8,93.7) v1(36.9,52.4) v1(38.9,19.8) v1(38.9,18.3) v1(38.9,16.6) v1(40.1,16.6) v1(40.28,80.61) v1(40.28,80.21) v1(40.28,79.81) v1(40.28,79.41) v1(40.28,79) v1(40.38,93.39) v1(40.38,92.99) v1(40.38,92.59) v1(40.38,92.18) v1(40.38,91.78) v1(40.68,80.61) v1(40.68,80.21) v1(40.68,79.81) v1(40.68,79.41) v1(40.68,79) v1(40.78,93.39) v1(40.78,92.99) v1(40.78,92.59) v1(40.78,92.18) v1(40.78,91.78) v1(41.3,16.6) v1(41.38,74.95) v1(41.38,74.55) v1(41.38,74.14) v1(41.39,73.74) v1(41.48,87.74) v1(41.48,87.34) v1(41.79,74.95) v1(41.79,74.55) v1(41.79,74.14) v1(41.79,73.74) v1(41.89,87.74) v1(41.89,87.34) v1(41.89,86.54) v1(41.9,56.5) v1(41.91,55.41) v1(42.19,74.95) v1(42.19,74.55) v1(42.19,74.14) v1(42.2,73.74) v1(42.29,87.74) v1(42.29,86.54) v1(42.4,16.6) v1(42.59,74.95) v1(42.59,74.55) v1(42.59,74.14) v1(42.6,73.74) v1(42.69,87.74) v1(42.69,87.34) v1(42.69,86.94) v1(42.69,86.54) v1(42.94,56.5) v1(43,74.95) v1(43,74.55) v1(43,74.14) v1(43,73.74) v1(43.09,87.74) v1(43.09,87.34) v1(43.09,86.94) v1(43.09,86.54) v1(44.9,48.5) v1(47.9,56.5) v1(47.9,55.5) v1(48.45,12.3) v1(50.5,80.61) v1(50.5,80.21) v1(50.5,79.8) v1(50.5,79.4) v1(50.5,79) v1(50.6,93.4) v1(50.6,93) v1(50.6,92.6) v1(50.6,92.19) v1(50.6,91.79) v1(50.9,80.61) v1(50.9,80.21) v1(50.9,79.8) v1(50.9,79.4) v1(50.9,79) v1(51,93.4) v1(51,93) v1(51,92.6) v1(51,92.19) v1(51,91.79) v1(51.6,74.94) v1(51.6,74.54) v1(51.6,74.14) v1(51.6,73.74) v1(51.7,87.74) v1(51.7,87.34) v1(51.7,86.93) v1(51.7,86.53) v1(51.9,52.52) v1(52.01,74.94) v1(52.01,74.54) v1(52.01,74.14) v1(52.01,73.74) v1(52.11,87.74) v1(52.11,87.34) v1(52.11,86.93) v1(52.11,86.53) v1(52.41,74.94) v1(52.41,74.54) v1(52.41,74.14) v1(52.41,73.74) v1(52.51,87.74) v1(52.51,87.34) v1(52.51,86.93) v1(52.51,86.53) v1(52.81,74.94) v1(52.81,74.54) v1(52.81,74.14) v1(52.81,73.74) v1(52.91,87.74) v1(52.91,87.34) v1(52.91,86.93) v1(52.91,86.53) v1(52.9,50.5) v1(52.9,45.5) v1(53.22,74.94) v1(53.22,74.54) v1(53.22,74.14) v1(53.22,73.74) v1(53.2,19.8) v1(53.2,19.3) v1(53.2,18.8) v1(53.2,18.3) v1(53.2,17.8) v1(53.32,87.74) v1(53.32,87.34) v1(53.32,86.93) v1(53.32,86.53) v1(54.6,50.5) v1(56.2,93.7) v1(56.2,12.5) v1(56.2,12) v1(56.7,12.5) v1(56.7,12) v1(56.9,63.5) v1(58.4,52.52) v1(58.9,54.5) v1(60.68,80.61) v1(60.68,80.21) v1(60.68,79.8) v1(60.68,79.4) v1(60.68,79) v1(60.79,93.49) v1(60.79,93.08) v1(60.79,92.68) v1(60.79,92.28) v1(60.78,91.88) v1(61.08,80.61) v1(61.08,80.21) v1(61.08,79.8) v1(61.08,79.4) v1(61.08,79) v1(61.19,93.49) v1(61.19,93.08) v1(61.19,92.68) v1(61.19,92.28) v1(61.18,91.88) v1(61.3,18.7) v1(61.3,17.8) v1(61.3,16.9) v1(61.3,15.9) v1(61.79,74.94) v1(61.79,74.54) v1(61.79,74.14) v1(61.79,73.74) v1(61.89,87.74) v1(61.89,87.34) v1(61.89,86.94) v1(61.89,86.54) v1(62.19,74.94) v1(62.19,74.54) v1(62.19,74.14) v1(62.19,73.74) v1(62.29,87.74) v1(62.29,87.34) v1(62.29,86.94) v1(62.29,86.54) v1(62.5,10.2) v1(62.6,74.94) v1(62.6,74.54) v1(62.6,74.14) v1(62.6,73.74) v1(62.7,87.74) v1(62.7,87.34) v1(62.7,86.94) v1(62.7,86.54) v1(63,74.94) v1(63,74.54) v1(63,74.14) v1(63,73.74) v1(63.1,87.74) v1(63.1,87.34) v1(63.1,86.94) v1(63.1,86.54) v1(63.4,74.94) v1(63.4,74.54) v1(63.4,74.14) v1(63.4,73.74) v1(63.5,87.74) v1(63.5,87.34) v1(63.5,86.94) v1(63.5,86.54) v1(64.4,12.3) v1(92,70.85) v1(92,69.04) v1(92.82,57.61) v1(96.4,63.95) v1(96.4,62.15) v1(99,65.75) v1(99,63.95) v1(99,62.15) v1(99,60.35) v2(58.7,6.3) v2(58.7,5.4) v2(58.7,4.5) v2(59.6,6.3) v2(59.6,5.4) v2(59.6,4.5) v2(60.5,6.3) v2(60.5,5.4) v2(60.5,4.5) v2(65.1,7) v3(39.6,66.85) v3(39.6,30.15) v3(60.2,66.85) v3(60.3,96.55) v4(4.6,97) v4(4.6,3) v4(95.4,97) v4(95.4,3)
